# KiCad board cleanrobot-square-main.kicad_pcb (continued)
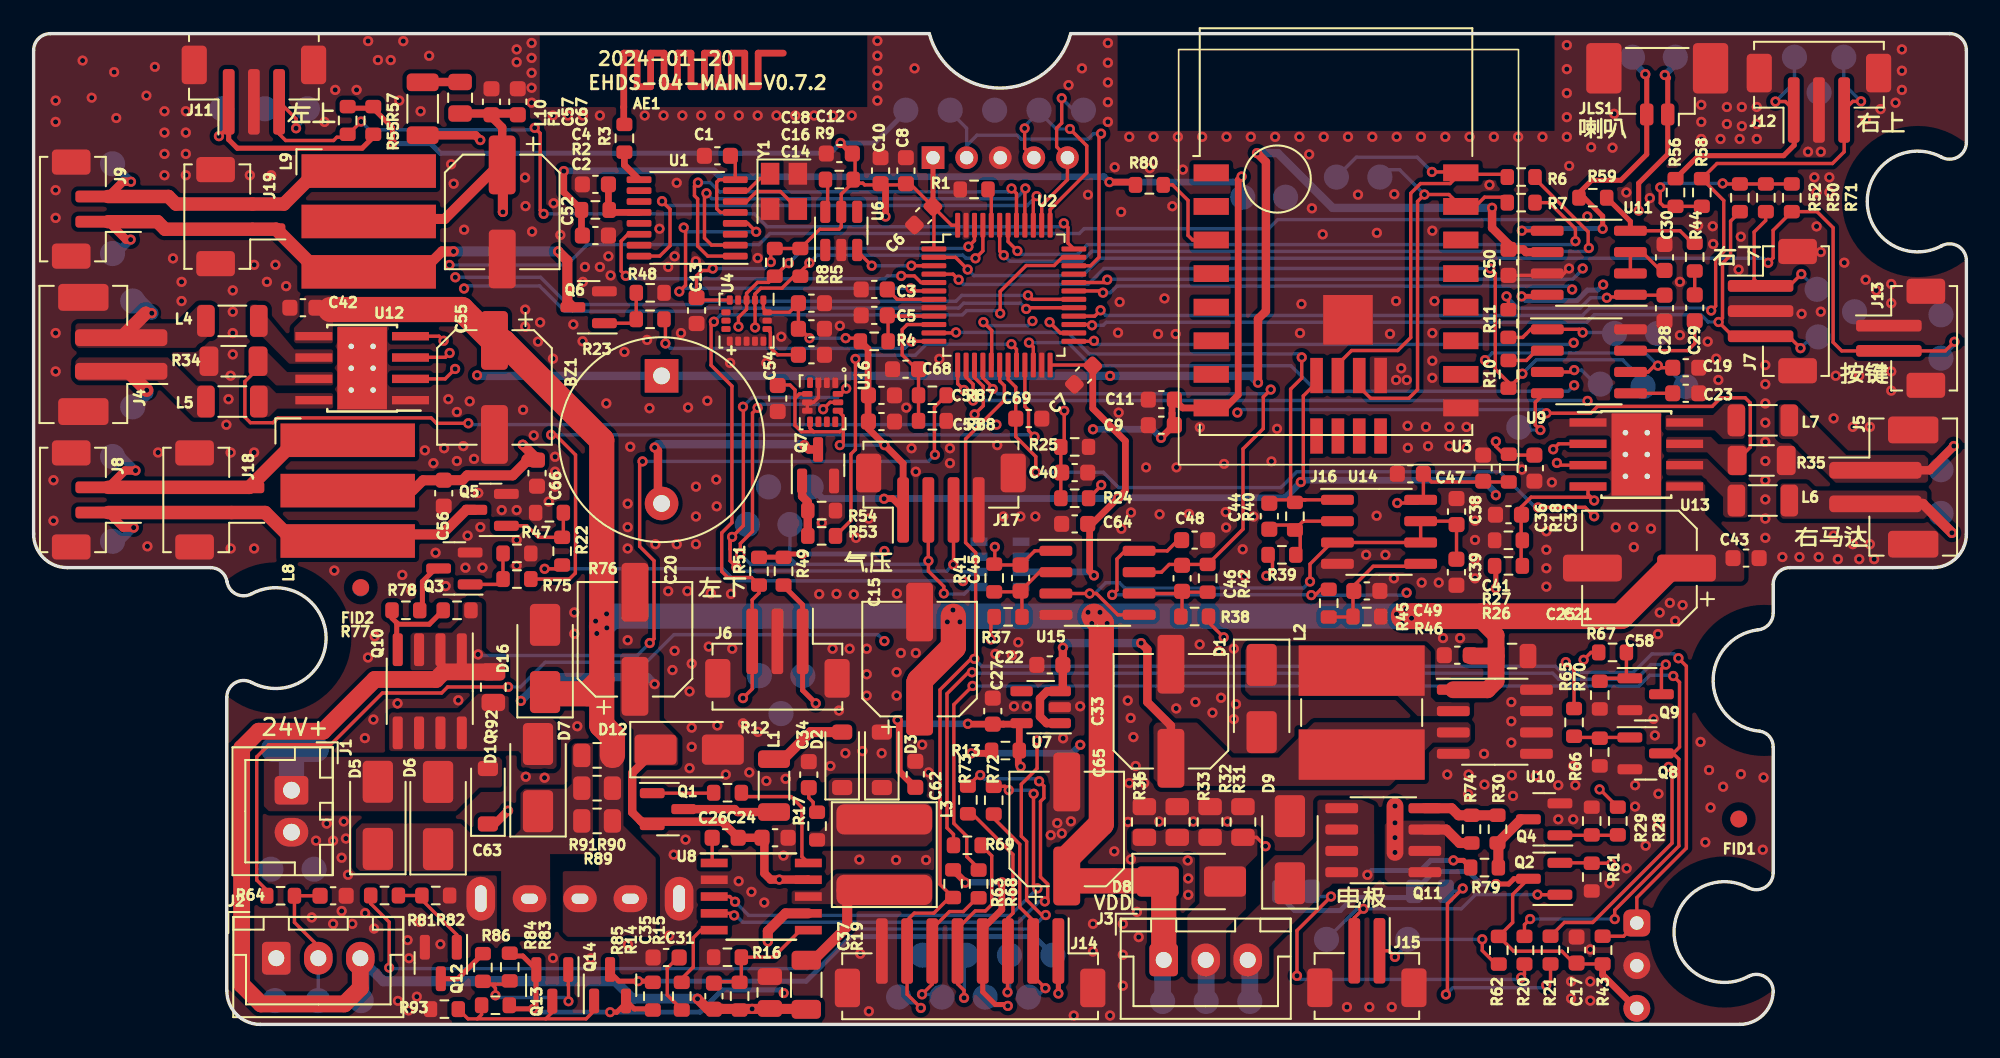
[diagram p0: board, top side]
## Routing (per net, layer and track width the routed paths; a pad name or vN(x,y) marks a point on that pad's centre or on a via; arc(x,y) is an arc through that point) (continued)
/driver/L_MOTOR_OUT-: length 3.3
  Top w0.8: v1(6.73,37.76) 5.6,38.89 J4.1
  Bottom w0.8: v1(6.73,37.76) 6.73,37.61 TP59.1
/driver/R_MOTOR_OUT+: length 6.7
  Top w0.6: J5.2 112.41,31 v1(114.14,29.27)
  Bottom w0.6: v1(114.14,29.27) 113.49,29.92 TP56.1
/driver/R_MOTOR_OUT-: length 7
  Top w0.5: J5.1 112.81,33 v1(114.25,34.44)
  Bottom w0.5: TP57.1 113.49,33.67 v1(114.25,34.44)
/driver/VREF55: length 32.9
  Top w0.203: U15.3 63.24,25.66 64.51,24.39 U15.5 ; C39.1 84.66,27.71 C38.1 84.46,29.96 U14.7 U14.6 U14.3 77.23,28.69 75.94,27.41 v1(75.94,26.37)
  Bottom w0.203: v1(62.83,25.66) 63.16,25.66 63.8,26.3 64.61,26.3 64.93,25.99 75.56,25.99 v1(75.94,26.37)
/main/BLE_MCU_RXD: length 42.7
  Top w0.203: v1(92.54,46.23) 92.49,46.27 92.49,47.2 89.33,50.36 R6.2 ; v1(57.72,45.8) 57.48,46.05 U2.43
  Bottom w0.203: v1(92.54,46.23) 92.33,46.03 62.96,46.03 62.38,45.45 58.08,45.45 v1(57.72,45.8)
/main/BLE_MCU_TXD: length 39.2
  Top w0.203: v1(91.74,46.64) 91.74,47.38 90.18,48.93 R7.2 ; U2.42 57.98,46.61 v1(58.54,46.06)
  Bottom w0.203: v1(58.54,46.06) 58.74,45.85 62.12,45.85 62.7,46.44 91.54,46.44 v1(91.74,46.64)
/main/MISO: length 26.3
  Top w0.203: U1.2 40.35,46.4 39.92,46.83 39.92,49.37 v1(40.04,49.49) ; U2.40 58.98,49.75 v1(59.01,49.77)
  Bottom w0.203: v1(59.01,49.77) 58.79,49.56 58.79,49.52 58.43,49.17 40.36,49.17 v1(40.04,49.49)
/main/MOSI: length 27.7
  Top w0.203: v1(39.53,50.12) 39.32,49.92 39.32,49.34 39.51,49.15 39.51,46.35 40.11,45.75 U1.1 ; v1(58.18,49.77) 58.48,49.48 U2.41
  Bottom w0.203: v1(39.53,50.12) 40.26,50.12 40.81,49.57 57.98,49.57 v1(58.18,49.77)
/main/RF_REST: length 25.2
  Top w0.203: v1(42.99,47.2) 42.49,47.7 U1.4 ; v1(38.42,43.64) 38.79,44.01 38.79,47.34 v1(38.68,47.45) ; v1(52.18,43.83) 52.34,43.67 U2.6
  Bottom w0.203: v1(38.68,47.45) 38.93,47.2 v1(42.99,47.2) ; v1(38.42,43.64) 38.61,43.83 v1(52.18,43.83)
/main/SCK: length 29.4
  Top w0.203: U2.39 59.48,49.12 v1(59.68,49.32) ; U1.16 37.25,45.75 37.87,46.36 37.87,48.54 v1(37.39,49.02)
  Bottom w0.203: v1(37.39,49.02) 37.64,48.76 58.9,48.76 58.9,48.76 59.12,48.76 v1(59.68,49.32)
/main/SCS: length 22.1
  Top w0.203: v1(51.62,44.57) 52.41,44.57 52.8,44.17 U2.5 ; v1(35.23,44.57) 34.96,44.85 34.96,46.64 35.36,47.05 U1.14
  Bottom w0.203: v1(35.23,44.57) 35.41,44.4 50.64,44.4 50.81,44.57 v1(51.62,44.57)
/main/TSD_DATA: length 5.1
  Top w0.203: U2.3 52.23,45.17 v1(52.23,45.18) ; 49.15,46.3 49.15,45.9 v1(49.87,45.18)
  Bottom w0.203: v1(49.87,45.18) v1(52.23,45.18)
/peripheral/BLUE: length 75.3
  Top w0.203: v1(97.28,15.33) 97.49,15.13 97.49,10.79 92.76,6.07 91.08,6.07 R21.1 ; v1(97.12,21.43) 96.85,21.16 Q9.3 ; v1(55.83,20.97) 55.62,20.97 54.35,19.69 54.35,11.7 54.73,11.32 R69.1
  In2.Cu w0.203: v1(97.12,21.43) 96.95,21.26 96.95,20.38 97.28,20.05 v1(97.28,15.33)
  Bottom w0.203: v1(55.83,20.97) 56.1,20.97 56.15,20.92 90.38,20.92 90.74,20.56 95.36,20.56 96.23,21.43 v1(97.12,21.43)
/peripheral/RED: length 78.2
  Top w0.203: v1(94.08,6.27) 94.08,6.81 97.89,10.62 97.89,15.79 97.55,16.14 Q8.3 97.55,16.14 97.93,16.52 97.93,20.37 v1(97.56,20.75) ; v1(55.87,20.16) 54.75,19.04 54.75,11.97 55.52,11.2 55.52,9.99 56.33,9.19 ; v1(89.04,6.27) 88.71,5.94 R20.1
  Bottom w0.203: v1(94.08,6.27) 94.07,6.27 v1(89.04,6.27) ; v1(97.56,20.75) 97.52,20.79 96.16,20.79 95.53,20.15 55.87,20.15 v1(55.87,20.16)
/peripheral/V_CHRG_O: length 33.9
  Top w0.3: 34.33,3.07 34.83,2.57 v2(35.98,2.57) 36.84,2.57 ; v1(60.97,1.84) J14.1
  Bottom w0.3: v2(35.98,2.57) 45.97,2.57 48.62,5.23 59.54,5.23 59.54,5.23 60.97,3.8 v1(60.97,1.84)
/peripheral/VOICE_BUSY: length 6.5
  Top w0.203: v1(92.17,41.2) 91.98,41.39 U9.1 89.08,41.39 88.6,40.91 R11.1
  Bottom w0.203: v1(92.17,41.2) 94.01,41.2
/power/TEMP: length 8.4
  Top w0.203: C63.1 R64.2 15.52,6.08 16.94,4.66 J2.2
  Bottom w0.203: TP52.1 16.94,1.43 J2.2
ADC_ADAPTER: length 18.8
  Top w0.203: v1(56.51,41.82) 57.01,41.32 57.01,39.29 U2.17 ; v1(61.32,36.54) 61.32,34.59 R25.1 R24.2
  In2.Cu w0.203: v1(61.32,36.54) 61.32,41.81 60.7,42.42 59.97,42.42 v1(59.43,41.88)
  Bottom w0.203: v1(56.51,41.82) 56.71,41.61 59.16,41.61 v1(59.43,41.88)
ADC_BATT: length 7.9
  Top w0.203: U2.10 51.98,41.67 51.68,41.38 51.68,39.87 52.54,39.01 C68.1 52.65,39.01 R87.2 R88.1
ADC_FAN_MOTOR: length 36.2
  Top w0.203: C44.2 73.72,31.23 75.66,31.23 ; v1(54.88,41.21) 54.85,41.17 U2.11 ; 75.66,31.23 U14.1 ; 75.66,31.23 74.9,31.23 74.79,31.34 74.79,32.55 74.79,32.55 74.79,37.83 75.45,38.49 v1(75.45,39.72)
  Bottom w0.203: v1(75.45,39.72) 75.25,39.92 62.81,39.92 61.53,41.21 v1(54.88,41.21)
ADC_LEFT_MOTOR: length 16.8
  Top w0.203: U2.15 55.98,38.52 56.51,37.99 56.51,36.84 v1(55.99,36.32) ; v1(57.19,28.44) 57.19,27.45 R41.2 57.21,27.36 C45.2 59.57,28.2 U15.1
  In2.Cu w0.203: v1(57.19,28.44) 56.28,29.35 56.28,36.03 v1(55.99,36.32)
ADC_RIGHT_MOTOR: length 34.7
  Top w0.203: v1(73.61,37.8) 73.17,37.36 73.17,35.48 71.96,34.27 71.96,29.49 R42.2 67.57,27.39 67.11,26.93 U15.7 ; U2.16 56.48,38.51 56.96,38.03 56.96,37.95 v1(57.07,37.84)
  Bottom w0.203: v1(57.07,37.84) 57.35,37.56 73.36,37.56 v1(73.61,37.8)
BATT_ON: length 45.1
  Top w0.203: v1(30.79,35.1) 31.05,35.1 32.24,33.91 32.24,28.18 32.23,28.17 32.23,26.87 31.88,26.52 R75.2 ; v1(59.56,35) 59.2,35.35 59.2,36.58 58.98,36.79 U2.21
  Bottom w0.203: v1(30.79,35.1) 59.45,35.1 v1(59.56,35)
BELL: length 22
  Top w0.203: v1(48.9,39.62) 48.9,38.69 48.9,38.69 48.9,34.23 48.63,33.96 48.63,30.01 R53.1 ; v1(58.18,40.51) 58.48,40.2 U2.20
  Bottom w0.203: v1(58.18,40.51) 53.12,40.51 52.46,39.85 49.12,39.85 v1(48.9,39.62)
CHG_DONE_LED: length 14.3
  Top w0.203: v1(57.95,1.91) 57.95,4.35 J14.3 57.97,6.33 58.27,6.62 58.27,10.12 55.85,12.54 R73.1
  Bottom w0.203: TP9.1 58.06,2.03 v1(57.95,1.91)
CHG_LED_SW: length 84
  Top w0.203: v1(59.71,16.91) 59.71,15.24 58.77,14.3 58.77,11.21 59.09,10.89 59.09,7.41 59.98,6.51 v1(60.22,6.51) ; v2(21.16,3.38) 21.16,6.09 20.06,7.19 R81.1 ; U2.26 61.09,41.17 v1(60.45,41.82)
  In2.Cu w0.203: v1(60.45,41.82) 60.92,41.35 60.92,37 60.54,36.62 60.54,23.38 59.69,22.53 59.69,19.21 59.71,19.19 v1(59.71,16.91)
  Bottom w0.203: v1(60.22,6.51) 60.18,6.51 59.35,5.68 48.4,5.68 46.04,3.32 21.21,3.32 v2(21.16,3.38)
CHG_ON_LED: length 12.9
  Top w0.203: v1(60.2,2.16) 59.47,2.89 J14.2 59.47,6.18 58.68,6.98 58.68,10.73 57.13,12.27 R72.1
  Bottom w0.203: TP8.1 59.67,1.63 v1(60.2,2.16)
EDGE_DET_LB: length 51
  Top w0.203: v1(40.48,41.84) 40.31,41.68 40.31,39.25 41.55,38.01 41.55,29.88 40.94,29.27 40.94,26.97 41.3,26.61 42.71,26.61 R51.2 43.16,25.68 42.76,25.28 J6.3 42.76,19.98 v1(42.21,19.43) ; U2.35 61.21,45.67 60.72,45.19 59.06,45.19 57.51,43.64 v1(57.51,42.34)
  Bottom w0.203: v1(57.51,42.34) 57.35,42.5 55.51,42.5 55.26,42.25 40.88,42.25 v1(40.48,41.84) ; v1(42.21,19.43) 43.18,20.4 TP39.1
EDGE_DET_LT: length 59.9
  Top w0.203: 18.68,52.83 18.05,52.83 17.85,52.63 15,52.63 14.61,53.02 J11.3 15.62,53.93 v1(15.62,53.36) ; 18.67,52.91 18.67,52.95 v1(19.48,53.76) ; v1(30.35,48.26) 30.14,48.47 30.14,53.06 v1(29.81,53.39) ; U2.36 61.54,46.52 61.54,47.45 v1(61.3,47.7)
  Bottom w0.203: v1(29.81,53.39) 29.69,53.26 19.98,53.26 v1(19.48,53.76) ; v1(15.62,53.36) 16.29,54.04 TP43.1 ; v1(30.35,48.26) 42.88,48.26 43.65,47.5 61.09,47.5 v1(61.3,47.7)
EDGE_DET_RB: length 52.7
  Top w0.203: U2.27 62.93,41.67 v1(62.98,41.63) ; 101.52,48.38 100.97,47.83 100.97,45.8 100.49,45.32 100.49,42.06 v1(100.26,41.83) 101.11,40.97 J7.3 104.42,40.97 v1(105.13,40.27)
  Bottom w0.203: v1(100.26,41.83) 99.64,41.83 99.21,42.25 92.86,42.25 92.41,41.81 63.82,41.81 63.64,41.63 v1(62.98,41.63) ; v1(105.13,40.27) 105.8,40.94 TP38.1
EDGE_DET_RT: length 63
  Top w0.203: v1(63.48,42.52) 63.13,42.17 U2.28 ; v1(108.73,54.96) 108.24,54.96 J12.3 107.73,51.96 107.03,51.26 100.16,51.26 R58.2 100.56,49.06 100.56,46.02 100.08,45.54 100.08,42.77 v1(99.82,42.51)
  Bottom w0.203: v1(108.73,54.96) 107.71,55.99 TP42.1 ; v1(63.48,42.52) 63.79,42.21 92.16,42.21 92.6,42.66 99.66,42.66 v1(99.82,42.51)
IR_OUT: length 106.9
  Top w0.203: v1(97.87,21.8) 98.34,21.33 98.34,10.49 95.39,7.55 U5.1 94.6,5.25 R43.2 ; U2.18 57.48,38.31 57.76,38.03 57.76,37.17 55.45,34.86 55.45,28.69 56.05,28.09 56.05,21.85 v1(55.97,21.77) 55.77,21.77 53.93,19.92 53.93,8.33 54.72,7.55 ; 54.49,7.55 53.56,6.63 52.4,6.63 51.97,6.2 J14.7 51.97,1.8 v1(52.79,0.98)
  Bottom w0.203: TP10.1 51.81,1.28 52.49,1.28 v1(52.79,0.98) ; v1(55.97,21.77) 56.42,21.32 90.55,21.32 90.91,20.96 95.19,20.96 96.29,22.06 97.61,22.06 v1(97.87,21.8)
LED_BLUE: length 50.4
  Top w0.203: v1(92.22,21.71) 92.67,22.15 93.12,22.15 ; v1(63.09,40.7) 63.06,40.67 U2.25
  In2.Cu w0.203: v1(92.22,21.71) 91.84,22.1 91.84,37.37 92.27,37.81 92.27,39.95 v1(91.63,40.59)
  Bottom w0.203: v1(91.63,40.59) 91.53,40.49 63.3,40.49 v1(63.09,40.7)
LED_RED: length 54.9
  Top w0.203: v1(91.16,21.57) 91.66,21.08 R65.1 ; v1(59.22,40.6) 59.48,40.34 U2.22
  In2.Cu w0.203: v1(91.66,38.06) 91.43,37.82 91.43,21.84 v1(91.16,21.57)
  Bottom w0.203: v1(91.66,38.06) 91.31,37.7 76.33,37.7 74.81,39.22 62.92,39.22 61.55,40.6 v1(59.22,40.6)
PWM_FAN: length 64
  Top w0.203: R28.1 93.2,13.99 v1(93.17,13.99) ; v1(55.9,37.15) 55.9,38.12 55.48,38.53 U2.14
  In2.Cu w0.203: v1(93.17,13.99) 93.17,21.62 92.24,22.55 92.24,36.91 v1(92.46,37.13)
  Bottom w0.203: 92.43,37.15 v1(55.9,37.15)
PWM_LEFT1: length 44.9
  Top w0.203: U2.30 59.4,43.17 v1(59.16,43.41) ; U12.3 22.44,39.72 24.5,39.72 v1(24.75,39.98)
  In2.Cu w0.203: v1(24.75,39.98) 25,40.23 25,44.4 v1(25.09,44.49)
  Bottom w0.203: v1(59.16,43.41) 55.23,43.41 54.88,43.06 39.9,43.06 39.71,42.87 31.78,42.87 30.16,44.49 v1(25.09,44.49)
PWM_LEFT2: length 45.3
  Top w0.203: U2.29 59.13,42.67 v1(59.06,42.6) ; U12.2 24.49,38.44 v1(25.08,39.03)
  In2.Cu w0.203: v1(25.08,39.03) 25.51,39.46 25.51,43.71 v1(25.61,43.82)
  Bottom w0.203: v1(25.61,43.82) 25.76,43.97 30.1,43.97 31.62,42.46 39.88,42.46 40.07,42.66 55.05,42.66 55.34,42.94 58.72,42.94 v1(59.06,42.6)
PWM_RIGHT1: length 44.8
  Top w0.203: v1(90.64,33.43) 90.77,33.3 92.49,33.3 ; U2.32 63.71,44.17 v1(63.88,44.35)
  In2.Cu w0.203: v1(90.64,33.43) 91.02,33.82 91.02,42.21 92.17,43.36 v1(92.17,45.01)
  Bottom w0.203: v1(63.88,44.35) 63.91,44.37 91.58,44.37 92.17,44.96 v1(92.17,45.01)
PWM_RIGHT2: length 42.1
  Top w0.203: U13.2 90.74,34.57 v1(90.41,34.25) ; U2.31 63.52,43.67 v1(63.63,43.57)
  In2.Cu w0.203: v1(91.54,43.76) 91.54,43.31 90.62,42.38 90.62,34.45 v1(90.41,34.25)
  Bottom w0.203: v1(63.63,43.57) 64.07,43.57 64.46,43.96 91.34,43.96 v1(91.54,43.76)
SCL1: length 59.4
  Top w0.203: J17.2 53.24,27.61 v1(53.24,27.6) 53.24,26.99 54.16,26.08 v1(54.16,25.66) ; U2.45 56.48,46.06 v1(56.04,45.62) ; v1(46.98,36.63) 47.39,37.04 U16.13 ; v1(46.16,45.34) 45.62,44.81 R5.1 45.24,44.55 44.53,43.84 43.27,43.84 42.92,43.49 U4.2 42.92,42.59 42.93,42.59 v1(42.93,41.5) ; v1(42.05,28.01) 42.05,28.63 42.77,29.36 42.77,36.41 v1(43.08,36.71)
  In2.Cu w0.203: v1(43.08,36.71) 42.77,37.03 42.77,41.34 v1(42.93,41.5)
  Bottom w0.203: U18.5 55.79,26.04 55.37,25.63 54.2,25.63 v1(54.16,25.66) ; v1(56.04,45.62) 55.47,45.62 55.29,45.8 46.62,45.8 v1(46.16,45.34) ; v1(42.05,28.01) 42.66,27.4 45.4,27.4 ; v1(46.98,36.63) 46.68,36.92 43.29,36.92 v1(43.08,36.71) ; 45.4,27.4 53.04,27.4 v1(53.24,27.6) ; 45.4,27.4 45,27.8 TP28.1
SDA1: length 59.9
  Top w0.203: U16.14 48.03,37.54 v1(48.35,37.86) ; v1(41.94,41.55) 41.94,42.09 42.42,42.58 U4.3 42.42,43.53 43.07,44.18 43.73,44.18 R8.1 44.88,45.33 v1(44.94,45.33) ; 41.44,28.3 41.44,27.6 v1(41.82,27.22) ; 41.44,28.3 41.44,28.91 42.23,29.7 42.23,36.76 v1(42.21,36.78) ; 41.44,28.3 41.44,28.31 41.44,28.91 v1(41.56,29.03) ; J17.3 54.74,27.4 v1(54.72,27.38) ; v1(55.62,46.32) 55.98,46.67 U2.46
  In2.Cu w0.203: v1(41.94,41.55) 42.3,41.18 42.3,36.87 v1(42.21,36.78)
  Bottom w0.203: v1(55.62,46.32) 55.52,46.21 45.82,46.21 v1(44.94,45.33) ; v1(41.56,29.03) 42.16,29.63 ; v1(41.82,27.22) 42.05,26.99 54.33,26.99 v1(54.72,27.38) 55.16,26.94 U18.6 ; v1(48.35,37.86) 47.82,37.33 42.76,37.33 v1(42.21,36.78)
SPRAY_BACK: length 39.9
  Top w0.203: v1(55.35,37.78) 54.98,38.15 U2.13 ; v1(30.4,27.13) 31.22,27.13 R22.1
  In2.Cu w0.203: v1(55.3,26.4) 55.87,26.97 55.87,35.52 55.29,36.1 55.29,37.71 v1(55.35,37.78)
  Bottom w0.203: v1(55.3,26.4) 55.29,26.41 41.72,26.41 41,27.13 v1(30.4,27.13)
SPRAY_FRONT: length 17.7
  Top w0.203: v1(37.59,40.55) 37.59,41.9 R23.1 ; U2.12 52.24,40.67 v1(52.23,40.66)
  Bottom w0.203: v1(52.23,40.66) 51.82,40.25 37.88,40.25 v1(37.59,40.55)
START: length 72.9
  Top w0.203: U2.2 54.85,45.67 v1(55.58,44.95) ; v1(114.29,40.65) 113.75,40.11 J13.2 107.58,40.11 107.07,40.62 107.07,47.44 106.11,48.4 104.61,48.4 103.5,47.28 103.5,45.65 v1(103.21,45.35)
  Bottom w0.203: v1(114.29,40.65) 114.29,40.47 TP12.1 ; v1(103.21,45.35) 102.93,45.62 63.45,45.62 62.41,44.59 55.94,44.59 v1(55.58,44.95)
SWCLK: length 12.6
  Top w0.2: J10.4 58.97,52.16 v2(58.97,53.36)
  Top w0.203: U2.37 60.48,48.52 62.66,50.7 62.66,52.32 v2(61.66,53.32)
  Bottom w0.2: v2(58.97,53.36) 58.97,53.48 59.82,54.34 60.84,53.32 v2(61.66,53.32)
SWDIO: length 20.7
  Top w0.203: U2.34 62.88,45.17 63.39,45.68 63.39,52.92 v1(63.51,53.04)
  Bottom w0.2: J10.2 55.51,53.36 54.54,54.34
  Bottom w0.203: 55.51,52.33 56.13,52.95 58.52,52.95 58.75,52.72 62.74,52.72 63.06,53.04 v1(63.51,53.04)
UART2_RX: length 10.2
  Top w0.2: 60.86,53.36 60.87,53.35 60.87,52.25 J10.5
  Top w0.203: v2(61.17,55.15) 61.17,53.67 60.86,53.36 ; U2.38 59.98,48.77 61.51,50.3 J10.5
  Bottom w0.203: 62.46,54.34 61.99,54.34 v2(61.17,55.15)
V_CHRG_I: length 67.2
  Top w0.203: D10.1 27.44,11.94 ; 37.2,16.55 D12.1 36.87,16.36
  Top w0.3: 28.33,4.07 29.11,4.07 29.89,3.29 29.89,1.09 v2(29.73,0.93) 28.52,0.93 R86.2 ; v2(34.3,0.73) 34.7,0.73 35.27,1.3 35.27,1.39 35.74,0.92 36.84,0.92
  Top w0.5: 36.11,12.13 35.62,12.63 35.62,14.97 D12.1 ; 36.11,12.13 36.38,11.86 36.7,11.86 ; 36.11,12.13 36.18,12.07 40.97,12.07 C26.1 43.34,11.11 C24.1 43.48,10.97 43.48,9 43.86,8.62 v1(44.37,8.62) 46.09,8.62 U8.9 ; 27.44,11.94 v1(28.23,12.73)
  In2.Cu w0.3: v2(44.63,1.86) 44.41,2.08 44.41,8.58 v1(44.37,8.62)
  In2.Cu w0.5: v1(28.99,19.26) 28.23,18.5 v1(28.23,12.73)
  Bottom w0.3: v2(44.63,1.86) 44.44,2.05 40.98,2.05 39.65,0.73 v2(34.3,0.73) 29.93,0.73 v2(29.73,0.93)
  Bottom w0.5: v1(36.95,20.26) 36.53,20.68 30.41,20.68 v1(28.99,19.26)
VOICE_DATA: length 51.2
  Top w0.203: v1(88.58,38.75) 88.58,38.71 R10.1 87.76,38.23 86.97,39.01 86.97,44.7 86.98,44.7 v1(86.67,45.01) ; v1(55.04,44.34) 54.71,44.67 U2.4
  Bottom w0.203: 95.78,37.72 95.78,38.34 94.54,39.57 89.41,39.57 v1(88.58,38.75) ; v1(55.04,44.34) 55.31,44.07 62.74,44.07 63.69,45.01 v1(86.67,45.01)
WATER_DET: length 66.4
  Top w0.203: v1(92.85,30.26) 92.32,30.79 89.52,30.79 v1(89.52,30.78) ; v1(93.88,9.58) 93.86,9.6 R61.1 92.68,9.62 Q2.2 ; U2.19 57.98,38.4 58.44,37.95 C69.1 58.44,35 59.63,33.81 v1(59.63,32.88)
  In2.Cu w0.203: v1(93.88,9.58) 93.88,21.77 92.85,22.8 v1(92.85,30.26)
  Bottom w0.203: v1(59.63,32.88) 63.64,32.88 64.55,31.97 64.79,31.97 64.79,31.97 74.21,31.97 75.15,32.9 87.23,32.9 89.35,30.78 v1(89.52,30.78)
Net-(AE1-A): length 1
  Top w0.4: 35.11,53.63 35.11,54.62
Net-(BZ1-+): length 13.4
  Top w0.203: 37.15,31.23 BZ1.2
  Top w0.5: Q7.3 46.12,34.23 v1(45.86,34.49) ; 37.15,31.23 37.15,34.16 v1(36.95,34.35)
  Bottom w0.5: v1(36.95,34.35) 37.15,34.55 45.8,34.55 v1(45.86,34.49)
Net-(C29-Pad2): length 1.4
  Top w0.203: R44.1 C29.2
Net-(C31-Pad1): length 3.8
  Top w0.2: 38.57,0.88 37.7,1.75 37.7,3.35 38.38,4.02
Net-(C34-Pad1): length 1.5
  Top w0.203: 46.38,12.69 46.38,13.23 46.12,13.49 C34.1
Net-(C52-Pad1): length 46.3
  Top w0.203: L8.1 22.56,31.78
  Top w0.5: F1.2 28.62,54.24 ; 27.88,51.08 27.88,53.41 27.13,54.16
  Top w0.6: C56.1 25.51,32.41 25.8,32.69 28.51,32.69 29.41,33.6 ; 27.82,51.32 24.46,47.96 20.09,47.96 L9.1 ; v1(27.92,48.38) 27.92,51.04 ; 24.39,32.4 23.17,32.4 22.56,31.78 ; 29.95,33.67 v1(29.1,34.52)
  Top w0.8: 27.92,51.04 27.88,51.08 ; 29.95,33.67 C66.1 29.41,33.6 ; 24.39,32.4 C56.1
  In2.Cu w0.6: v1(29.1,34.52) 27.92,35.7 v1(27.92,48.38)
Net-(D2-A): length 4.7
  Top w0.6: L1.2 44.62,15.8 46.22,17.4 D2.2
Net-(D4-K): length 15.4
  Top w0.203: v1(84.03,1.78) 84.12,1.87 84.12,7.18 v1(85.03,8.09) ; v1(90,2.34) 90.26,2.59 R21.2
  Bottom w0.203: v1(85.03,8.09) 84.86,7.92 D4.1 ; v1(84.03,1.78) 84.43,2.18 89.84,2.18 v1(90,2.34)
Net-(D8-A): length 21.9
  Top w0.203: v1(73.3,10.61) 72.77,11.14 R31.1 ; v1(73.35,26.71) 73.71,27.07 73.71,28.26
  In2.Cu w0.203: 73.38,26.68 73.38,10.69 v1(73.3,10.61)
  Bottom w1: TP55.1 69.77,3.81 J3.2
Net-(D9-K): length 9.2
  Top w0.3: R79.2 85.08,9.77 v1(84.48,9.77)
  Bottom w0.3: v1(84.48,9.77) 83.13,9.77 82.53,9.16 79.62,9.16 v1(79.36,8.91)
  Bottom w1: TP54.1 72.36,3.72 J3.3
Net-(D11-K): length 21.2
  Top w0.203: v1(77.2,7.61) 75.17,5.59 v1(75.17,2.89) ; v1(88.51,2.79) 88.71,2.99 R20.2
  Bottom w0.203: v1(75.17,2.89) 75.39,2.68 88.4,2.68 v1(88.51,2.79) ; D11.1 76.36,7.61 v1(77.2,7.61)
Net-(F1-Pad1): length 2.2
  Top w0.5: F1.1 23.17,56.12 L10.2
Net-(J6-Pin_1): length 9.8
  Top w0.203: 44.76,26.16 44.76,25.98
  Top w0.3: v1(46.54,19.12) 45.76,19.9 J6.1 45.76,24.98 44.76,25.98
  Bottom w0.3: v1(46.54,19.12) 45.77,19.89 TP37.1
Net-(J7-Pin_1): length 8.9
  Top w0.203: 103.06,48.4 103.06,47.87 102.37,47.18 102.37,44.36 J7.1 104.47,43.97 v1(105.18,44.68)
  Bottom w0.203: v1(105.18,44.68) 106.09,43.77 TP40.1
Net-(J11-Pin_1): length 15.3
  Top w0.203: v1(11.03,52.89) 11.61,53.47 J11.1
  Top w0.3: 20.2,52.83 19.55,52.17 12.12,52.17 11.61,52.68 J11.1
  Bottom w0.3: v1(11.03,52.89) 11.21,53.07 TP41.1
Net-(J12-Pin_1): length 14.4
  Top w0.203: 104.75,54.42 J12.1 104.22,54.95 v1(103.64,54.95)
  Top w0.3: R56.2 99.06,51.73 104.13,51.73 104.75,52.35 104.75,54.42
  Bottom w0.203: v1(103.64,54.95) 104.77,56.08 TP44.1
Net-(J14-Pin_5): length 13.3
  Top w0.203: R69.2 57.01,10.04 57.01,7.13 56.63,6.76 56.03,6.76 54.97,5.7 J14.5 54.97,2.41 55.36,2.03 v1(55.36,1.58)
  Bottom w0.203: TP11.1 55.37,4.01 55.37,1.59 v1(55.36,1.58)
Net-(J14-Pin_6): length 8.9
  Top w0.203: v1(52.86,1.79) 53.47,2.4 J14.6 53.47,5.7 54.49,6.72 55.32,6.72 56.18,7.58
  Bottom w0.203: TP7.1 53.88,1.79 v1(52.86,1.79)
Net-(J15-Pin_1): length 8.8
  Top w0.203: v1(81,4.02) 80.63,4.38 J15.1 ; v1(86.19,5.07) 86.19,4.4 87,3.59 R62.2
  Bottom w0.203: v1(86.19,5.07) 86.19,5.06 TP31.1 81.76,4.78 v1(81,4.02)
Net-(J15-Pin_2): length 17.7
  Top w0.203: J15.2 78.58,6.35 v1(79.12,6.89) ; v1(89.48,7.73) 89.49,7.72 Q2.1
  Bottom w0.203: v1(89.48,7.73) 85.79,7.73 84.95,6.89 v1(79.12,6.89) 78.75,6.89 TP32.1
Net-(J16-Pin_3): length 28.9
  Top w0.203: R6.1 87.52,50.62 85.01,50.62 U3.16 ; U3.16 84.87,50.76 v1(83.2,50.76) ; U3.16 84.28,50.07 82.52,50.07 81.94,49.49 81.94,40.9 81.17,40.13 78.42,40.13 77.61,39.31 J16.3
  Bottom w0.203: TP19.1 78.7,51.64 82.32,51.64 v1(83.2,50.76)
Net-(J16-Pin_5): length 25.5
  Top w0.203: 78.88,38.64 78.88,37.96 79.55,37.28 81.83,37.28 82.34,37.8 82.34,49.01 v1(82.75,49.42) 84.21,49.42 U3.15 85.78,48.71 86.33,49.26 87.36,49.26 R7.1
  Bottom w0.203: TP20.1 80.54,50.89 81.28,50.89 v1(82.75,49.42)
Net-(J18-Pin_1): length 26.2
  Top w0.5: v1(5.95,29.58) 5.34,29.58 J8.1
  Top w0.6: 19.08,29.18 24.29,29.18 25.75,30.64 Q5.3
  Top w0.8: L8.2 15.48,28.78 13.78,30.48 J18.1 J8.1
  Bottom w0.5: v1(5.95,29.58) 5.14,28.77 TP34.1
Net-(J18-Pin_2): length 19.2
  Top w0.5: v1(6.07,32.98) 5.44,32.98 J8.2
  Top w0.8: J8.2 12.83,31.98 15.63,34.78 L8.3
  Bottom w0.5: v1(6.07,32.98) 5.23,33.81 TP33.1
Net-(J19-Pin_1): length 35.4
  Top w0.5: J9.1 5.5,46.73 v1(5.77,46.73) ; 16.96,44.81 L9.2
  Top w0.6: Q6.3 31.76,43.03 31.76,45.49 v1(31.21,46.03) ; v1(24.99,46.03) 24.3,46.03 23.09,44.81 L9.2
  Top w0.8: J9.1 7.37,47.8 7.82,47.35 J19.1 14.43,47.35 16.96,44.81
  Bottom w0.5: v1(5.77,46.73) 4.94,45.9 TP36.1
  Bottom w0.6: v1(24.99,46.03) v1(31.21,46.03)
Net-(J19-Pin_2): length 19.8
  Top w0.5: L9.3 16.85,50.81 ; v1(5.79,50.18) 5.32,50.18 J9.2
  Top w0.8: 16.85,50.81 14.89,48.85 J19.2 8.47,48.85 8.02,49.3 J9.2
  Bottom w0.5: v1(5.79,50.18) 4.73,51.24 TP35.1
Net-(JLS1-Pin_1): length 22.2
  Top w0.3: 97.23,56.36 JLS1.1 97.23,51.82 95.5,50.09 v1(95.5,48.46) ; 89.96,43.35 v1(88.54,43.35)
  Top w0.4: v1(97.06,56.53) 97.23,56.36
  In2.Cu w0.3: v1(95.5,48.46) 93.78,46.74 93.78,44.44 v1(93.39,44.05)
  Bottom w0.203: TP46.1 97.68,57.16
  Bottom w0.3: v1(88.54,43.35) 88.78,43.1 91.83,43.1 92.45,43.72 93.06,43.72 v1(93.39,44.05)
  Bottom w0.4: 97.68,57.16 v1(97.06,56.53)
Net-(JLS1-Pin_2): length 20.4
  Top w0.203: 92.19,49.23 R59.2 ; U11.5 88.56,47.26
  Top w0.3: 92.19,49.23 92.26,49.23 93.36,48.13 v1(93.36,47.37) ; 95.98,56.5 JLS1.2 95.98,51.81 94.44,50.26 92.7,50.26 91.95,49.51 R59.2 ; 88.56,47.26 v1(88.55,47.26)
  Top w0.4: v1(95.9,56.58) 95.98,56.5
  Bottom w0.203: TP45.1 95.13,57.35
  Bottom w0.3: v1(88.55,47.26) 88.68,47.39 93.34,47.39 v1(93.36,47.37)
  Bottom w0.4: 95.13,57.35 v1(95.9,56.58)
Net-(Q1-D): length 5.4
  Top w0.5: L1.1 41.89,12.65 41.72,12.82 Q1.3
Net-(Q1-G): length 3.7
  Top w0.203: Q1.1 40.44,13.77 R12.1
Net-(Q3-B): length 3.1
  Top w0.203: 27.93,27.64 27.93,26.52 R75.1 27.62,26.2 26.11,26.2
Net-(Q3-C): length 3
  Top w0.3: R78.1 23.13,24.82 23.13,26.37 23.77,27.01 24.1,27.01
Net-(Q4-B): length 3.5
  Top w0.203: R28.2 94.23,11.26 Q4.1
Net-(Q4-C): length 3.9
  Top w0.203: Q4.3 88.51,12.21
  Top w0.6: R79.1 87.15,10.75 R30.2 88.51,12.21
Net-(Q5-G): length 5.1
  Top w0.203: R47.1 31.52,29.07 R22.2 30.04,29 29.35,29.69 Q5.1
Net-(Q6-G): length 3.6
  Top w0.203: R48.1 35.86,43.56 R23.2 35.62,41.75 Q6.1
Net-(Q7-B): length 3.4
  Top w0.5: Q7.1 45.72,31.44 46.06,31.11 R53.2
Net-(Q8-B): length 3.4
  Top w0.203: Q8.1 91.73,17.09 R65.2
Net-(Q9-B): length 3.5
  Top w0.203: R70.1 93.36,20.61 Q9.1 94.77,20.82 R67.2
Net-(Q10-G): length 5.6
  Top w0.3: R77.1 23.54,23.83 21.69,23.83 21.61,23.9 ; 21.61,23.9 21.6,23.89 21.6,22.37 Q10.4 ; 21.61,23.9 21.32,24.19 R78.2
Net-(Q11-G): length 4.5
  Top w0.6: Q11.4 84.37,12.87 84.79,12.45 R74.2 85.56,12.45 R30.1
Net-(Q12-B): length 5.3
  Top w0.2: 21.71,7.68 23.1,7.68 23.1,7.42 25.18,5.34 Q12.1
Net-(Q12-C): length 3.1
  Top w0.3: Q12.3 25.24,2.72 26.73,4.21
Net-(Q13-B): length 8.8
  Top w0.2: v2(31.83,1.38) 31.83,2.32 31.81,2.34 Q13.1 ; 27.25,2.4 27.48,2.16 v2(27.48,1.73) ; 26.73,2.4 28.3,2.4 28.33,2.42
  Bottom w0.2: v2(31.83,1.38) 31.6,1.6 27.61,1.6 v2(27.48,1.73)
Net-(Q13-C): length 11.1
  Top w0.2: 26.4,0.33 26.65,0.59 R86.1 ; 26.4,0.33 30.47,0.33 ; 26.4,0.33 25.85,0.33 R93.2 ; 30.47,0.33 32.87,0.33 33.38,0.84 33.38,1.2 ; 30.47,0.33 30.86,0.72 Q13.3
Net-(U1-ANTB): length 2
  Top w0.4: R3.1 35.15,51.17 U1.9
Net-(U1-LDO_IN): length 3.4
  Top w0.4: C4.1 34.2,48.55 R2.2 34.4,48.35 U1.12
Net-(U1-LDO_OUT): length 5.5
  Top w0.203: U1.5 40.86,48.35 40.65,48.57 40.65,50.16 40.79,50.3 U1.8 41.75,51.43 C1.1
Net-(U1-XTALI): length 2.4
  Top w0.203: U1.7 42.49,49.65 43.21,50.37 43.82,50.37
Net-(U1-XTALO): length 4.4
  Top w0.203: Y1.3 44.43,49.59 43.02,49.59 42.43,49 U1.6
Net-(U2-BOOT0): length 2.2
  Top w0.203: R1.2 56.98,49.52 U2.44
Net-(U2-NRST): length 3
  Top w0.203: C3.2 51.38,43.17 U2.7
Net-(U2-VDDA): length 4.4
  Top w0.203: R4.1 50.84,42.17 C5.2 50.84,42.17 U2.9
Net-(U3-EN): length 5.4
  Top w0.203: R80.1 67.77,49.99 68.69,49.07 68.69,46.98 68.96,46.71 U3.3
Net-(U4-REGOUT): length 3
  Top w0.203: U4.14 43.84,41.22 43.84,40.29 44.26,39.87 C14.2
Net-(U6-PA3): length 1.7
  Top w0.203: 47.25,48.58 47.25,50.28
Net-(U8-COM): length 4.4
  Top w0.2: 38.39,2.55 39.25,3.41 39.25,5.15 39.71,5.61 U8.5
Net-(U8-CSP): length 8.1
  Top w0.203: L3.2 48.1,8.01 48.07,7.98
  Top w0.6: 48.07,7.98 48.41,7.64 48.41,5.83 46.41,3.82 R19.1
Net-(U8-DRV): length 7.4
  Top w0.203: R12.2 42.34,13.56 45.07,13.56 45.71,12.92 45.71,9.99 U8.10
Net-(U8-FB): length 7.7
  Top w0.2: 42.01,2.54 40.55,2.54 40.48,2.47
  Top w0.203: U8.6 45.63,5.61 44.01,4 R16.1 42.11,2.65 42.01,2.54
Net-(U8-VG): length 1.5
  Top w0.203: U8.1 40.37,9.73 C26.2
Net-(U8-~{CHRG}): length 28.7
  Top w0.203: v1(58.02,13.95) 57.8,14.18 R72.2 ; v1(59.73,8.1) 59.49,8.33 59.49,13.72 v1(59.5,13.73) ; v1(41.74,7.3) 41.42,7.61 U8.3
  Bottom w0.203: v1(59.73,8.1) 58.12,6.49 42.55,6.49 v1(41.74,7.3) ; v1(59.5,13.73) 59.29,13.95 v1(58.02,13.95)
Net-(U8-~{DONE}): length 32.7
  Top w0.203: U8.4 41.56,6.61 v1(41.68,6.49) ; R73.2 56.25,14.85 v1(56.32,14.85) ; v1(59.83,14.48) 60.11,14.19 60.11,13.48 59.91,13.28 59.91,8.78 60.34,8.35 60.34,7.5 v1(60.17,7.32)
  Bottom w0.203: v1(56.32,14.85) 56.55,14.62 59.69,14.62 v1(59.83,14.48) ; v1(41.68,6.49) 41.79,6.49 42.19,6.09 58.6,6.09 59.84,7.32 v1(60.17,7.32)
Net-(U9-PC1/SO): length 2.6
  Top w0.203: U9.2 89.41,40.12 88.82,39.54 R10.2
Net-(U9-PI0/SI): length 3.6
  Top w0.203: v1(91.66,38.96) 91.55,38.85 U9.3
  Bottom w0.203: v1(91.66,38.96) 92.1,38.96 92.72,38.35 93.34,38.35
Net-(U9-PI1/SCK): length 4.1
  Top w0.203: U9.4 89.89,37.58 89.35,37.04 89.35,35.69 v1(89.65,35.39)
  Bottom w0.203: TP14.1 88.53,35.39 v1(89.65,35.39)
Net-(U9-PWMN): length 2.5
  Top w0.203: U9.5 C23.1
Net-(U9-PWMP/DAC): length 5.3
  Top w0.203: C29.1 98.84,40.54 98.42,40.12 U9.7
Net-(U11-BYPASS): length 3.5
  Top w0.203: 96.79,44.91 95.71,45.99 U11.3 U11.2
Net-(U11-IN-): length 6.7
  Top w0.203: R44.2 98.71,46.51 97.96,47.26 U11.4
  Top w0.3: U11.4 95.01,47.82 R59.1
Net-(U11-~{SD}): length 10.9
  Top w0.203: 97.31,43.42 95.03,43.42 ; R11.2 87.75,43.24 v1(87.64,43.35) ; 94.87,43.31 93.65,43.31
  Bottom w0.203: v1(87.64,43.35) 88.34,42.65 92.02,42.65 92.64,43.27 v1(93.61,43.27)
Net-(U12-ISEN): length 63.8
  Top w0.203: v1(56.96,22.93) 56.96,23.89 57.25,24.18 ; 13.46,39.17 12.57,38.28 12.57,36.16 12.9,35.83 14.24,35.83 14.53,36.11 23.65,36.11 23.97,35.79 v1(25.86,35.79)
  In2.Cu w0.203: v1(56.96,22.93) 57.91,23.88 57.91,28.58 56.69,29.8 56.69,35.18 57.22,35.71
  Bottom w0.203: v1(25.86,35.79) 25.94,35.71 v1(57.29,35.71)
Net-(U12-VREF): length 102
  Top w0.203: U13.4 92.49,31.56 v1(92.85,31.2) 92.65,31.39 89.1,31.39 88.51,30.8 88.51,27.63 ; v1(24.39,40.71) 24.12,40.98 U12.4
  In2.Cu w0.203: v1(92.85,31.2) 93.07,31.41 93.07,37.38 92.78,37.67 92.78,44.32 93.15,44.68 93.15,46.55 92.45,47.25 v1(92.45,48.11) ; v1(24.39,40.71) 24.44,40.76 24.44,44.92 v1(24.74,45.22)
  Bottom w0.203: v1(92.45,48.11) 92.26,47.93 74.03,47.93 73.48,47.38 62.51,47.38 62.22,47.1 43.82,47.1 43.15,46.43 32.94,46.43 31.73,45.22 v1(24.74,45.22)
Net-(U13-ISEN): length 51
  Top w0.203: R35.1 101.36,33.58 102.14,34.37 102.14,37.01 101.84,37.31 100.39,37.31 99.88,36.8 93.05,36.8 92.65,36.39 v1(90.01,36.39) ; v1(70.81,23.05) 69.91,23.95 R38.1
  In2.Cu w0.203: v1(71.63,36.43) 71.63,36.23 69.96,34.57 69.96,25.3 70.81,24.45 v1(70.81,23.05)
  Bottom w0.203: v1(71.63,36.43) 71.8,36.61 89.79,36.61 v1(90.01,36.39)
Net-(U14A--): length 5.4
  Top w0.203: 75.31,29.74 75.36,29.69 75.36,28.26 ; 75.31,29.74 75.54,29.96 U14.2 ; 75.31,29.74 73.84,29.74 73.79,29.79
Net-(U14B-+): length 7.8
  Top w0.203: U14.5 82.38,27.28 79.71,27.28 78.55,26.13 C49.1 78.5,25.76 R46.1 78.47,24.26 R45.2
Net-(U15A--): length 5.7
  Top w0.203: R37.2 58.81,25.73 C45.1 ; R41.1 58.68,25.76 C45.1 ; C45.1 59.85,26.93 U15.2
Net-(U15B--): length 5.7
  Top w0.203: C46.1 68.38,25.74 R42.1 ; C46.1 68.33,24.37 R38.2 ; C46.1 68.2,25.66 U15.6

## Copper pours and planes (outline as drawn; the poured copper is in the pictures)
+5V on Top: 66.63,14.64 67.07,14.2 80.67,14.2 83.26,16.78 85.33,16.78 85.51,16.96 85.51,17.83 85.34,17.99 76.19,17.99 74.09,15.89 71.3,15.89 69.21,17.97 66.81,17.97 66.63,17.77 66.63,17.07
+24V on Top: 13.7,13 14,12.69 25.11,12.69 26.52,14.1 27.77,14.1 27.87,14.2 27.87,15.74 27.68,15.93 13.84,15.93 13.7,15.79
GND on Top, Bottom, In1.Cu, In2.Cu: -0.03,0.03 0.02,-0.02 115.28,-0.02 115.32,0.02 115.32,59.16 115.1,59.38 -0.03,59.38
VDD on Top: 80.39,8.67 80.6,8.46 83.87,8.46 83.98,8.57 83.98,12.05 83.9,12.13 80.63,12.13 80.39,11.89
VDD on Top: 33.63,9.12 31.48,9.13 31.48,5.49 31.77,5.21 36.83,5.21 37.02,5.4 37.02,9.92 35.83,11.11 35.83,11.11 35.1,11.84 35.1,16.57 34.7,16.96 33.97,16.96 33.63,16.62
VDD on Top: 16.07,42.06 15.49,41.48 15.49,40.67 15.6,40.56 17.79,40.56 17.81,40.58 17.81,43.32 17.72,43.4 16.18,43.4 16.07,43.3
VDD on Top: 97.1,32.31 97.1,26.63 97.36,26.37 101.65,26.37 101.78,26.5 101.78,28.06 99.46,30.38 99.46,32.27 99.36,32.38 97.17,32.38
VDDF on Top: 32.02,16.59 32.02,14.34 31.71,14.03 29.22,14.03 28.97,13.78 28.97,11.61 28.59,11.23 26.16,11.23 25.41,11.97 19.53,11.97 19.18,11.62 19.18,9.36 19.42,9.13 25.88,9.11 27.82,9.13 27.82,5.7 28.3,5.21 30.64,5.21 30.75,5.32 30.73,10.14 33.29,10.14 33.29,16.67 33.21,16.75 32.18,16.75
+BATT on Top: 22.43,23.18 22.43,21.14 22.48,21.09 25.58,21.09 26.26,20.4 27.97,20.4 28.11,20.53 28.11,21.72 27.94,21.89 27.1,21.89 26.67,22.31 26.67,25.06 26.59,25.15 25.63,25.15 25.53,25.04 25.53,23.95 24.9,23.32 22.57,23.32
/driver/L_MOTOR_OUT+ on Top: 2.49,41.63 2.49,40.45 2.66,40.29 9.69,40.29 10.78,41.37 10.78,42.62 10.54,42.86 9.83,42.86 8.72,41.74 2.6,41.74
/driver/L_MOTOR_OUT- on Top: 2.49,39.49 2.49,38.5 2.67,38.32 7.34,38.32 9.53,36.13 10.65,36.13 10.78,36.26 10.78,37.89 10.63,38.04 9.67,38.04 7.99,39.72 7.99,39.72 2.72,39.72
/driver/R_MOTOR_OUT+ on Top: 103.94,32.14 103.94,30.24 104.08,30.1 112.48,30.1 112.67,30.3 112.67,31.67 112.56,31.79 105.91,31.79 105.48,32.21 104,32.21
/driver/R_MOTOR_OUT- on Top: 103.84,35.02 104,34.86 104.61,34.86 107.22,32.25 112.59,32.25 112.72,32.39 112.72,33.68 112.5,33.91 107.86,33.91 104.84,36.92 103.88,36.92 103.84,36.87
V_CHRG_I on Top: 34.9,18.34 35.7,17.54 35.7,15.61 35.9,15.41 38.26,15.41 38.35,15.5 38.35,17.04 37.25,18.14 37.25,21.9 37.03,22.12 35.05,22.12 34.9,21.98
Net-(D1-K) on Top: 85.38,18.36 82.35,18.36 81.13,19.58 72.39,19.58 72.09,19.88 72.09,22.3 72.35,22.56 82.78,22.56 83.14,22.2 83.14,19.49 83.43,19.2 85.37,19.2 85.45,19.11 85.45,18.43
Net-(D2-K) on Top: 46.14,10.73 46.27,10.6 53.12,10.6 53.47,10.95 53.47,12.92 53.1,13.28 51.56,13.28 51.41,13.43 51.41,14.42 51.16,14.68 47.51,14.68 47.3,14.47 47.3,12.02 46.76,11.48 46.22,11.48 46.14,11.4
Net-(D7-A) on Top: 21.16,18.43 21.16,16.37 21.25,16.28 28.83,16.28 29,16.11 29,15.38 29.17,15.21 30.96,15.21 31.12,15.37 31.12,17.97 30.88,18.2 28.71,18.2 28.27,18.64 28.27,19.69 28.28,19.69 26.45,19.69 25.33,18.58 21.3,18.58
Net-(D8-A) on Top: 65.31,10.37 65.44,10.24 69.16,10.24 69.36,10.04 69.36,7.22 68.65,6.51 68.65,2.88 68.85,2.69 70.78,2.69 70.97,2.87 70.97,5.71 72.14,6.88 72.14,9.41 72.81,10.08 72.81,11.61 72.77,11.65 65.48,11.65 65.31,11.48
Net-(D9-K) on Top: 73.52,4.58 75.94,7 75.93,7 76.44,7.51 76.44,7.53 77.3,8.38 79.52,8.38 79.77,8.63 79.76,13.05 78.99,13.38 78.99,13.38 76.48,13.38 76.38,13.28 76.38,10.96 75.51,10.08 73.86,10.08 73.86,10.08 72.98,9.2 72.98,7.18 71.73,5.93 71.74,5.93 71.2,5.4 71.2,2.86 71.36,2.7 73.28,2.7 73.52,2.94
Net-(U8-CSP) on Top: 53.47,8.8 53.47,7 47.84,7 47.68,7.16 45.19,7.16 45.1,7.25 45.1,7.87 45.19,7.97 46.75,7.97 47.76,8.98 53.28,8.98
Net-(U12-ISEN) on Top: 12.79,40.22 12.79,38.77 12.96,38.61 13.87,38.61 14.43,38.05 17.8,38.05 17.85,38.09 17.85,38.79 17.79,38.85 15.08,38.85 13.58,40.35 12.93,40.35
Net-(U12-OUT1) on Top: 12.87,42.86 12.87,41.08 13.03,40.93 13.62,40.93 15.21,39.34 17.78,39.34 17.83,39.39 17.83,40.1 17.74,40.19 15.51,40.19 13.3,42.86
Net-(U12-OUT2) on Top: 17.82,36.73 17.82,37.57 17.81,37.59 14.44,37.59 13.98,38.04 13.01,38.04 12.87,37.91 12.87,36.22 12.95,36.14 13.98,36.14 14.5,36.66 15.06,36.67 17.76,36.67
Net-(U13-ISEN) on Top: 97.14,34.9 97.14,34.13 97.21,34.06 99.57,34.06 100.92,32.71 101.82,32.71 101.95,32.83 101.95,34.38 101.78,34.54 100.25,34.54 99.81,34.99 97.22,34.99
Net-(U13-OUT1) on Top: 97.14,33.55 97.14,32.78 97.23,32.69 99.24,32.69 100.52,31.4 100.52,30.33 100.67,30.18 101.9,30.18 101.97,30.25 101.97,32.15 101.82,32.3 100.97,32.3 99.58,33.68 97.27,33.68
Net-(U13-OUT2) on Top: 97.07,35.48 97.17,35.37 100.02,35.37 100.53,34.87 101.74,34.87 101.85,34.98 101.85,36.92 101.73,37.04 100.68,37.04 99.93,36.29 97.13,36.29 97.07,36.22

## Text on the board
B.Silkscreen: RX CLK GND DIO 3.3V | 雾化片1 | 雾化片3 | 雾化片2 | 雾化片4 | 左马达 | 电池 | 风机
User.Drawings: 红灯 白灯
F.Silkscreen: ${ISSUE_DATE} | VDD | EHDS-04-MAIN-${REVISION} | 24V+ | 左上 | 左下 | 气压 | 电极 | 喇叭 | 右下 | 右马达 | 按键 | 右上
